# EAGLE board working (EAGLE 9.6.2), part 24 of 28 (continued)
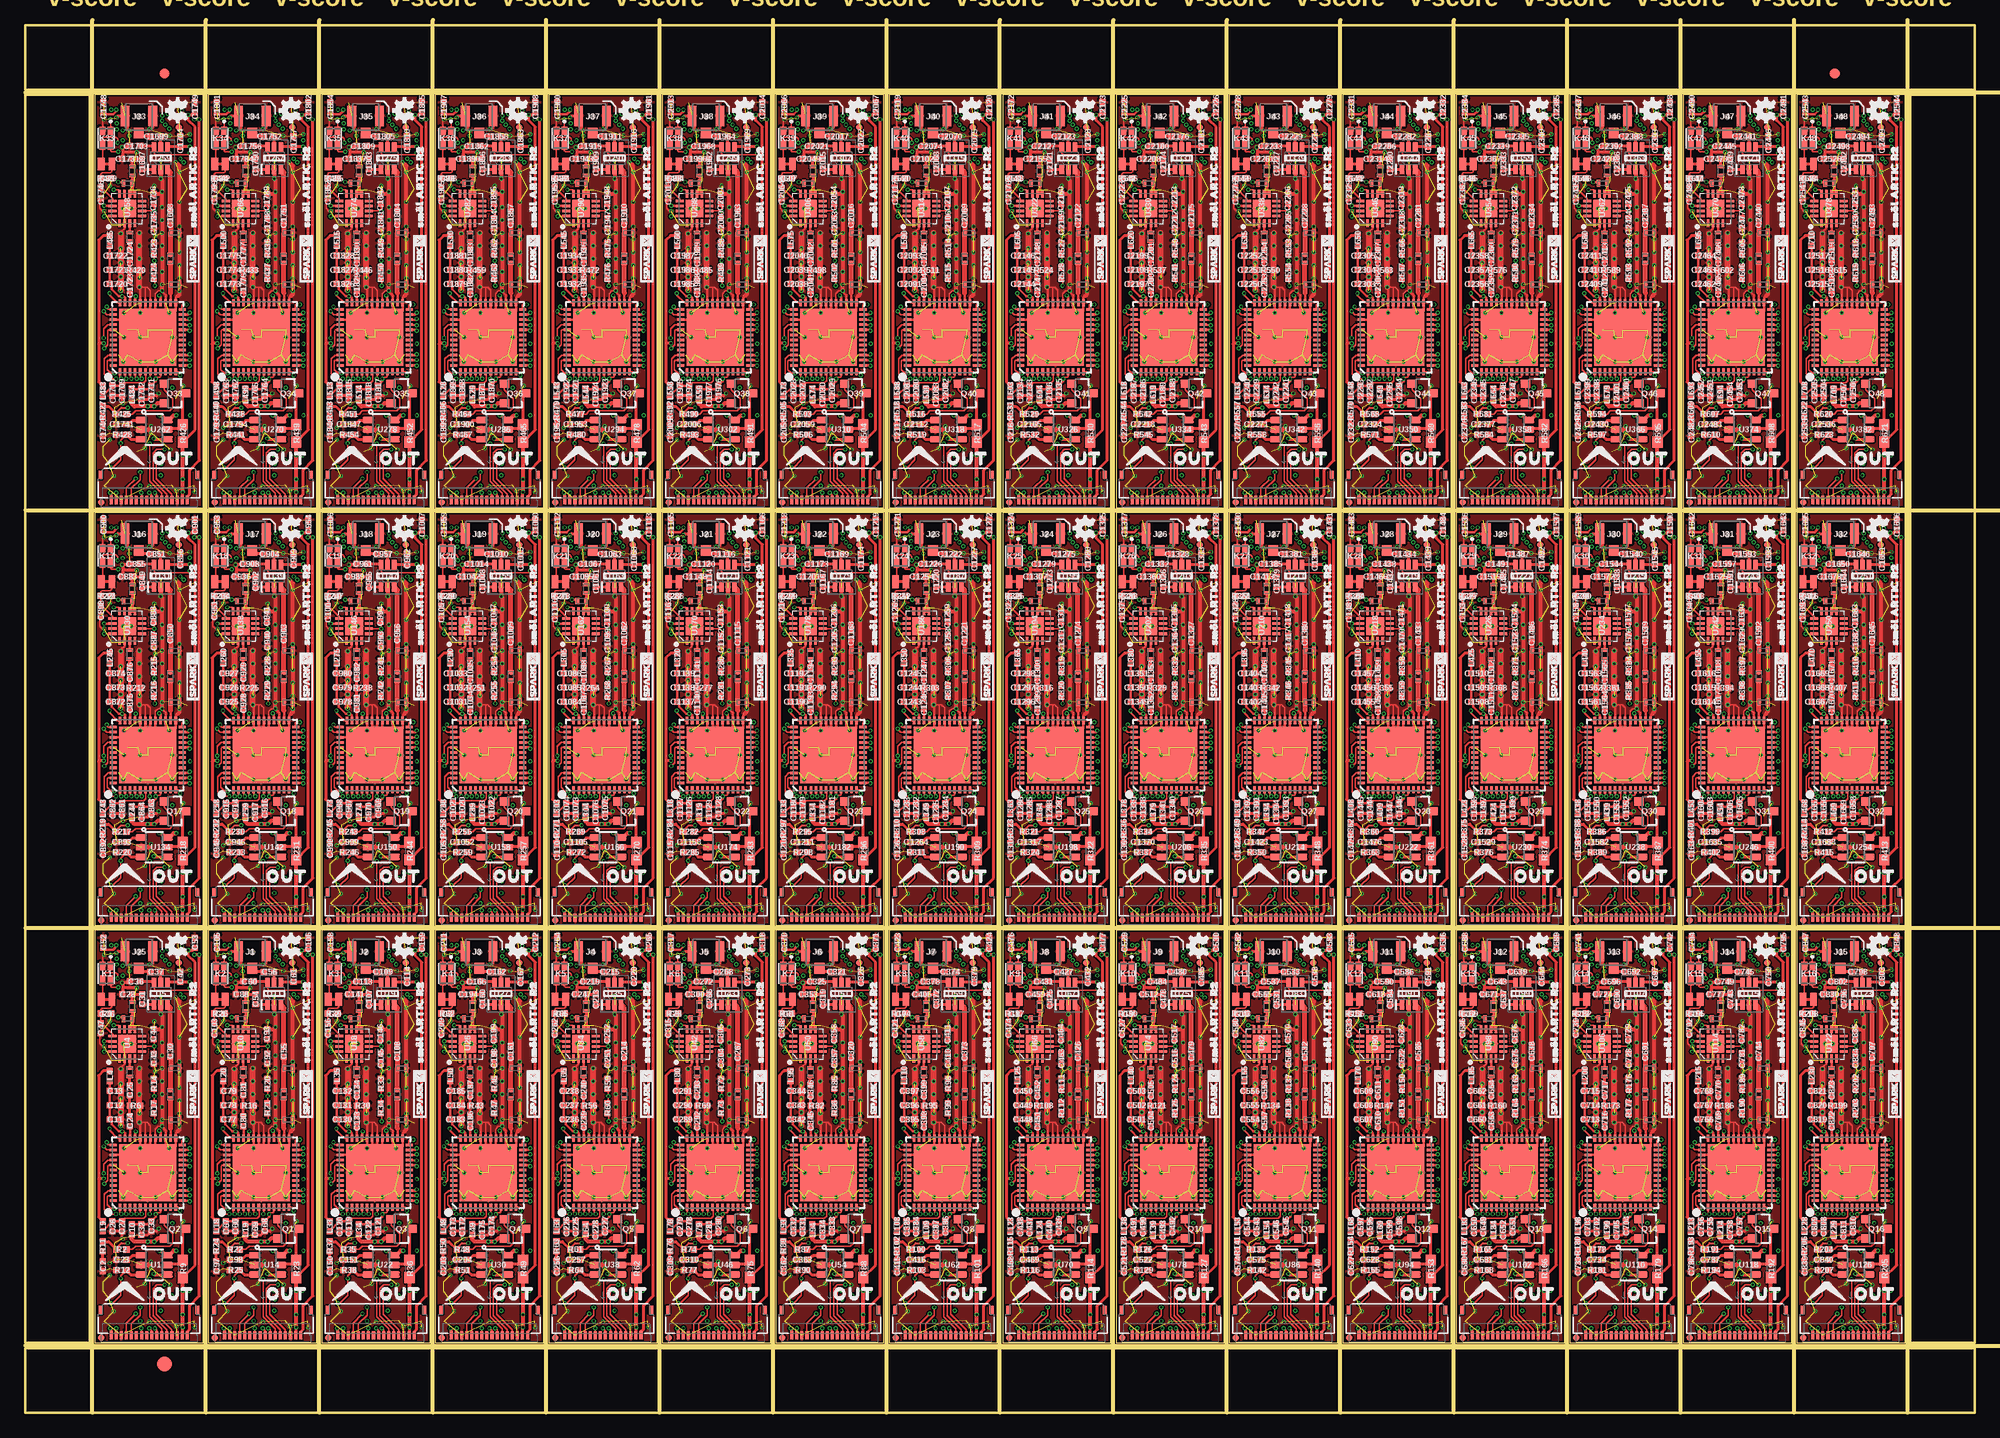
[diagram p0: board, top side]
## Tracks (layer width: path | path; a pad name or v marks a point on that pad's centre or on a via) (continued)
RESETB17  (via drill 0.2)
  Top 0.152: U137.1 20.49,60.83 v20.61,60.71
  Route15 0.127: v20.61,60.71 20.61,60.41 21.78,59.25 21.78,53.42 22.42,52.78 25.07,52.78 25.21,52.64 v25.59,52.64
  Bottom 0.152: U144.1 25.62,52.61 v25.59,52.64 | v20.61,60.71 20.61,59.98 R222.2
RESETB18  (via drill 0.2)
  Top 0.152: U145.1 31.67,60.83 v31.79,60.71
  Route15 0.127: v31.79,60.71 31.79,60.41 32.96,59.25 32.96,53.42 33.59,52.78 36.25,52.78 36.38,52.64 v36.77,52.64
  Bottom 0.152: U152.1 36.79,52.61 v36.77,52.64 | v31.79,60.71 31.79,59.98 R235.2
RESETB19  (via drill 0.2)
  Top 0.152: U153.1 42.84,60.83 v42.96,60.71
  Route15 0.127: v42.96,60.71 42.96,60.41 44.13,59.25 44.13,53.42 44.77,52.78 47.42,52.78 47.56,52.64 v47.94,52.64
  Bottom 0.152: U160.1 47.97,52.61 v47.94,52.64 | v42.96,60.71 42.96,59.98 R248.2
RESETB20  (via drill 0.2)
  Top 0.152: U161.1 54.02,60.83 v54.14,60.71
  Route15 0.127: v54.14,60.71 54.14,60.41 55.31,59.25 55.31,53.42 55.95,52.78 58.6,52.78 58.74,52.64 v59.12,52.64
  Bottom 0.152: U168.1 59.15,52.61 v59.12,52.64 | v54.14,60.71 54.14,59.98 R261.2
RESETB21  (via drill 0.2)
  Top 0.152: U169.1 65.2,60.83 v65.32,60.71
  Route15 0.127: v65.32,60.71 65.32,60.41 66.48,59.25 66.48,53.42 67.12,52.78 69.78,52.78 69.91,52.64 v70.3,52.64
  Bottom 0.152: U176.1 70.32,52.61 v70.3,52.64 | v65.32,60.71 65.32,59.98 R274.2
RESETB22  (via drill 0.2)
  Top 0.152: U177.1 76.37,60.83 v76.49,60.71
  Route15 0.127: v76.49,60.71 76.49,60.41 77.66,59.25 77.66,53.42 78.3,52.78 80.95,52.78 81.09,52.64 v81.47,52.64
  Bottom 0.152: U184.1 81.5,52.61 v81.47,52.64 | v76.49,60.71 76.49,59.98 R287.2
RESETB23  (via drill 0.2)
  Top 0.152: U185.1 87.55,60.83 v87.67,60.71
  Route15 0.127: v87.67,60.71 87.67,60.41 88.84,59.25 88.84,53.42 89.48,52.78 92.13,52.78 92.27,52.64 v92.65,52.64
  Bottom 0.152: U192.1 92.67,52.61 v92.65,52.64 | v87.67,60.71 87.67,59.98 R300.2
RESETB24  (via drill 0.2)
  Top 0.152: U193.1 98.72,60.83 v98.84,60.71
  Route15 0.127: v98.84,60.71 98.84,60.41 100.01,59.25 100.01,53.42 100.65,52.78 103.3,52.78 103.44,52.64 v103.82,52.64
  Bottom 0.152: U200.1 103.85,52.61 v103.82,52.64 | v98.84,60.71 98.84,59.98 R313.2
RESETB25  (via drill 0.2)
  Top 0.152: U201.1 109.9,60.83 v110.02,60.71
  Route15 0.127: v110.02,60.71 110.02,60.41 111.19,59.25 111.19,53.42 111.83,52.78 114.48,52.78 114.62,52.64 v115,52.64
  Bottom 0.152: U208.1 115.03,52.61 v115,52.64 | v110.02,60.71 110.02,59.98 R326.2
RESETB26  (via drill 0.2)
  Top 0.152: U209.1 121.08,60.83 v121.2,60.71
  Route15 0.127: v121.2,60.71 121.2,60.41 122.37,59.25 122.37,53.42 123,52.78 125.66,52.78 125.79,52.64 v126.17,52.64
  Bottom 0.152: U216.1 126.2,52.61 v126.17,52.64 | v121.2,60.71 121.2,59.98 R339.2
RESETB27  (via drill 0.2)
  Top 0.152: U217.1 132.25,60.83 v132.37,60.71
  Route15 0.127: v132.37,60.71 132.37,60.41 133.54,59.25 133.54,53.42 134.18,52.78 136.83,52.78 136.97,52.64 v137.35,52.64
  Bottom 0.152: U224.1 137.38,52.61 v137.35,52.64 | v132.37,60.71 132.37,59.98 R352.2
RESETB28  (via drill 0.2)
  Top 0.152: U225.1 143.43,60.83 v143.55,60.71
  Route15 0.127: v143.55,60.71 143.55,60.41 144.72,59.25 144.72,53.42 145.36,52.78 148.01,52.78 148.15,52.64 v148.53,52.64
  Bottom 0.152: U232.1 148.55,52.61 v148.53,52.64 | v143.55,60.71 143.55,59.98 R365.2
RESETB29  (via drill 0.2)
  Top 0.152: U233.1 154.6,60.83 v154.72,60.71
  Route15 0.127: v154.72,60.71 154.72,60.41 155.89,59.25 155.89,53.42 156.53,52.78 159.18,52.78 159.32,52.64 v159.7,52.64
  Bottom 0.152: U240.1 159.73,52.61 v159.7,52.64 | v154.72,60.71 154.72,59.98 R378.2
RESETB30  (via drill 0.2)
  Top 0.152: U241.1 165.78,60.83 v165.9,60.71
  Route15 0.127: v165.9,60.71 165.9,60.41 167.07,59.25 167.07,53.42 167.71,52.78 170.36,52.78 170.5,52.64 v170.88,52.64
  Bottom 0.152: U248.1 170.91,52.61 v170.88,52.64 | v165.9,60.71 165.9,59.98 R391.2
RESETB31  (via drill 0.2)
  Top 0.152: U249.1 176.96,60.83 v177.08,60.71
  Route15 0.127: v177.08,60.71 177.08,60.41 178.25,59.25 178.25,53.42 178.88,52.78 181.53,52.78 181.67,52.64 v182.05,52.64
  Bottom 0.152: U256.1 182.08,52.61 v182.05,52.64 | v177.08,60.71 177.08,59.98 R404.2
RESETB32  (via drill 0.2)
  Top 0.152: U257.1 9.31,101.98 v9.44,101.85
  Route15 0.127: v9.44,101.85 9.44,101.56 10.61,100.39 10.61,94.57 11.24,93.93 13.89,93.93 14.03,93.79 v14.41,93.79
  Bottom 0.152: U264.1 14.44,93.76 v14.41,93.79 | v9.44,101.85 9.44,101.12 R417.2
RESETB33  (via drill 0.2)
  Top 0.152: U265.1 20.49,101.98 v20.61,101.85
  Route15 0.127: v20.61,101.85 20.61,101.56 21.78,100.39 21.78,94.57 22.42,93.93 25.07,93.93 25.21,93.79 v25.59,93.79
  Bottom 0.152: U272.1 25.62,93.76 v25.59,93.79 | v20.61,101.85 20.61,101.12 R430.2
RESETB34  (via drill 0.2)
  Top 0.152: U273.1 31.67,101.98 v31.79,101.85
  Route15 0.127: v31.79,101.85 31.79,101.56 32.96,100.39 32.96,94.57 33.59,93.93 36.25,93.93 36.38,93.79 v36.77,93.79
  Bottom 0.152: U280.1 36.79,93.76 v36.77,93.79 | v31.79,101.85 31.79,101.12 R443.2
RESETB35  (via drill 0.2)
  Top 0.152: U281.1 42.84,101.98 v42.96,101.85
  Route15 0.127: v42.96,101.85 42.96,101.56 44.13,100.39 44.13,94.57 44.77,93.93 47.42,93.93 47.56,93.79 v47.94,93.79
  Bottom 0.152: U288.1 47.97,93.76 v47.94,93.79 | v42.96,101.85 42.96,101.12 R456.2
RESETB36  (via drill 0.2)
  Top 0.152: U289.1 54.02,101.98 v54.14,101.85
  Route15 0.127: v54.14,101.85 54.14,101.56 55.31,100.39 55.31,94.57 55.95,93.93 58.6,93.93 58.74,93.79 v59.12,93.79
  Bottom 0.152: U296.1 59.15,93.76 v59.12,93.79 | v54.14,101.85 54.14,101.12 R469.2
RESETB37  (via drill 0.2)
  Top 0.152: U297.1 65.2,101.98 v65.32,101.85
  Route15 0.127: v65.32,101.85 65.32,101.56 66.48,100.39 66.48,94.57 67.12,93.93 69.78,93.93 69.91,93.79 v70.3,93.79
  Bottom 0.152: U304.1 70.32,93.76 v70.3,93.79 | v65.32,101.85 65.32,101.12 R482.2
RESETB38  (via drill 0.2)
  Top 0.152: U305.1 76.37,101.98 v76.49,101.85
  Route15 0.127: v76.49,101.85 76.49,101.56 77.66,100.39 77.66,94.57 78.3,93.93 80.95,93.93 81.09,93.79 v81.47,93.79
  Bottom 0.152: U312.1 81.5,93.76 v81.47,93.79 | v76.49,101.85 76.49,101.12 R495.2
RESETB39  (via drill 0.2)
  Top 0.152: U313.1 87.55,101.98 v87.67,101.85
  Route15 0.127: v87.67,101.85 87.67,101.56 88.84,100.39 88.84,94.57 89.48,93.93 92.13,93.93 92.27,93.79 v92.65,93.79
  Bottom 0.152: U320.1 92.67,93.76 v92.65,93.79 | v87.67,101.85 87.67,101.12 R508.2
RESETB40  (via drill 0.2)
  Top 0.152: U321.1 98.72,101.98 v98.84,101.85
  Route15 0.127: v98.84,101.85 98.84,101.56 100.01,100.39 100.01,94.57 100.65,93.93 103.3,93.93 103.44,93.79 v103.82,93.79
  Bottom 0.152: U328.1 103.85,93.76 v103.82,93.79 | v98.84,101.85 98.84,101.12 R521.2
RESETB41  (via drill 0.2)
  Top 0.152: U329.1 109.9,101.98 v110.02,101.85
  Route15 0.127: v110.02,101.85 110.02,101.56 111.19,100.39 111.19,94.57 111.83,93.93 114.48,93.93 114.62,93.79 v115,93.79
  Bottom 0.152: U336.1 115.03,93.76 v115,93.79 | v110.02,101.85 110.02,101.12 R534.2
RESETB42  (via drill 0.2)
  Top 0.152: U337.1 121.08,101.98 v121.2,101.85
  Route15 0.127: v121.2,101.85 121.2,101.56 122.37,100.39 122.37,94.57 123,93.93 125.66,93.93 125.79,93.79 v126.17,93.79
  Bottom 0.152: U344.1 126.2,93.76 v126.17,93.79 | v121.2,101.85 121.2,101.12 R547.2
RESETB43  (via drill 0.2)
  Top 0.152: U345.1 132.25,101.98 v132.37,101.85
  Route15 0.127: v132.37,101.85 132.37,101.56 133.54,100.39 133.54,94.57 134.18,93.93 136.83,93.93 136.97,93.79 v137.35,93.79
  Bottom 0.152: U352.1 137.38,93.76 v137.35,93.79 | v132.37,101.85 132.37,101.12 R560.2
RESETB44  (via drill 0.2)
  Top 0.152: U353.1 143.43,101.98 v143.55,101.85
  Route15 0.127: v143.55,101.85 143.55,101.56 144.72,100.39 144.72,94.57 145.36,93.93 148.01,93.93 148.15,93.79 v148.53,93.79
  Bottom 0.152: U360.1 148.55,93.76 v148.53,93.79 | v143.55,101.85 143.55,101.12 R573.2
RESETB45  (via drill 0.2)
  Top 0.152: U361.1 154.6,101.98 v154.72,101.85
  Route15 0.127: v154.72,101.85 154.72,101.56 155.89,100.39 155.89,94.57 156.53,93.93 159.18,93.93 159.32,93.79 v159.7,93.79
  Bottom 0.152: U368.1 159.73,93.76 v159.7,93.79 | v154.72,101.85 154.72,101.12 R586.2
RESETB46  (via drill 0.2)
  Top 0.152: U369.1 165.78,101.98 v165.9,101.85
  Route15 0.127: v165.9,101.85 165.9,101.56 167.07,100.39 167.07,94.57 167.71,93.93 170.36,93.93 170.5,93.79 v170.88,93.79
  Bottom 0.152: U376.1 170.91,93.76 v170.88,93.79 | v165.9,101.85 165.9,101.12 R599.2
RESETB47  (via drill 0.2)
  Top 0.152: U377.1 176.96,101.98 v177.08,101.85
  Route15 0.127: v177.08,101.85 177.08,101.56 178.25,100.39 178.25,94.57 178.88,93.93 181.53,93.93 181.67,93.79 v182.05,93.79
  Bottom 0.152: U384.1 182.08,93.76 v182.05,93.79 | v177.08,101.85 177.08,101.12 R612.2
RF_RX
  Top 0.508: C29.P$2 14.3,31.78 L12.P$2 14.3,35.05 C30.2
RF_RX1
  Top 0.508: C87.P$2 25.48,31.78 L28.P$2 C55.2
RF_RX2
  Top 0.508: C140.P$2 36.65,31.78 L43.P$2 36.65,35.05 C108.2
RF_RX3
  Top 0.508: C193.P$2 47.83,31.78 L58.P$2 C161.2
RF_RX4
  Top 0.508: C246.P$2 59,31.78 L73.P$2 59,35.05 C214.2
RF_RX5
  Top 0.508: C299.P$2 70.18,31.78 L88.P$2 70.18,35.05 C267.2
RF_RX6
  Top 0.508: C352.P$2 81.36,31.78 L103.P$2 C320.2
RF_RX7
  Top 0.508: C405.P$2 92.53,31.78 L118.P$2 92.53,35.05 C373.2
RF_RX8
  Top 0.508: C458.P$2 103.71,31.78 L133.P$2 C426.2
RF_RX9
  Top 0.508: C511.P$2 114.88,31.78 L148.P$2 114.88,35.05 C479.2
RF_RX10
  Top 0.508: C564.P$2 126.06,31.78 L163.P$2 126.06,35.05 C532.2
RF_RX11
  Top 0.508: C617.P$2 137.24,31.78 L178.P$2 C585.2
RF_RX12
  Top 0.508: C670.P$2 148.41,31.78 L193.P$2 148.41,35.05 C638.2
RF_RX13
  Top 0.508: C723.P$2 159.59,31.78 L208.P$2 C691.2
RF_RX14
  Top 0.508: C776.P$2 170.76,31.78 L223.P$2 170.76,35.05 C744.2
RF_RX15
  Top 0.508: C829.P$2 181.94,31.78 L238.P$2 181.94,35.05 C797.2
RF_RX16
  Top 0.508: C882.P$2 14.3,72.93 L253.P$2 14.3,76.2 C850.2
RF_RX17
  Top 0.508: C935.P$2 25.48,72.93 L268.P$2 25.48,76.2 C903.2
RF_RX18
  Top 0.508: C988.P$2 36.65,72.93 L283.P$2 36.65,76.2 C956.2
RF_RX19
  Top 0.508: C1041.P$2 47.83,72.93 L298.P$2 47.83,76.2 C1009.2
RF_RX20
  Top 0.508: C1094.P$2 59,72.93 L313.P$2 59,76.2 C1062.2
RF_RX21
  Top 0.508: C1147.P$2 70.18,72.93 L328.P$2 70.18,76.2 C1115.2
RF_RX22
  Top 0.508: C1200.P$2 81.36,72.93 L343.P$2 81.36,76.2 C1168.2
RF_RX23
  Top 0.508: C1253.P$2 92.53,72.93 L358.P$2 92.53,76.2 C1221.2
RF_RX24
  Top 0.508: C1306.P$2 103.71,72.93 L373.P$2 103.71,76.2 C1274.2
RF_RX25
  Top 0.508: C1359.P$2 114.88,72.93 L388.P$2 114.88,76.2 C1327.2
RF_RX26
  Top 0.508: C1412.P$2 126.06,72.93 L403.P$2 126.06,76.2 C1380.2
RF_RX27
  Top 0.508: C1465.P$2 137.24,72.93 L418.P$2 137.24,76.2 C1433.2
RF_RX28
  Top 0.508: C1518.P$2 148.41,72.93 L433.P$2 148.41,76.2 C1486.2
RF_RX29
  Top 0.508: C1571.P$2 159.59,72.93 L448.P$2 159.59,76.2 C1539.2
RF_RX30
  Top 0.508: C1624.P$2 170.76,72.93 L463.P$2 170.76,76.2 C1592.2
RF_RX31
  Top 0.508: C1677.P$2 181.94,72.93 L478.P$2 181.94,76.2 C1645.2
RF_RX32
  Top 0.508: C1730.P$2 14.3,114.08 L493.P$2 14.3,117.34 C1698.2
RF_RX33
  Top 0.508: C1783.P$2 L508.P$2 25.48,117.34 C1751.2
RF_RX34
  Top 0.508: C1836.P$2 36.65,114.08 L523.P$2 36.65,117.34 C1804.2
RF_RX35
  Top 0.508: C1889.P$2 L538.P$2 47.83,117.34 C1857.2
RF_RX36
  Top 0.508: C1942.P$2 59,114.08 L553.P$2 59,117.34 C1910.2
RF_RX37
  Top 0.508: C1995.P$2 70.18,114.08 L568.P$2 70.18,117.34 C1963.2
RF_RX38
  Top 0.508: C2048.P$2 L583.P$2 81.36,117.34 C2016.2
RF_RX39
  Top 0.508: C2101.P$2 92.53,114.08 L598.P$2 92.53,117.34 C2069.2
RF_RX40
  Top 0.508: C2154.P$2 L613.P$2 103.71,117.34 C2122.2
RF_RX41
  Top 0.508: C2207.P$2 114.88,114.08 L628.P$2 114.88,117.34 C2175.2
RF_RX42
  Top 0.508: C2260.P$2 126.06,114.08 L643.P$2 126.06,117.34 C2228.2
RF_RX43
  Top 0.508: C2313.P$2 L658.P$2 137.24,117.34 C2281.2
RF_RX44
  Top 0.508: C2366.P$2 148.41,114.08 L673.P$2 148.41,117.34 C2334.2
RF_RX45
  Top 0.508: C2419.P$2 L688.P$2 159.59,117.34 C2387.2
RF_RX46
  Top 0.508: C2472.P$2 170.76,114.08 L703.P$2 170.76,117.34 C2440.2
RF_RX47
  Top 0.508: C2525.P$2 181.94,114.08 L718.P$2 181.94,117.34 C2493.2
RF_TX
  Top 0.305: L8.P$2 C28.2 10.54,41.2 C31.2
RF_TX1
  Top 0.305: L26.P$2 C88.2 C54.2
RF_TX2
  Top 0.305: L41.P$2 32.88,40.45 C141.2 C107.2
RF_TX3
  Top 0.305: L56.P$2 C194.2 C160.2
RF_TX4
  Top 0.305: L71.P$2 55.24,40.45 C247.2 C213.2
RF_TX5
  Top 0.305: L86.P$2 C300.2 66.42,41.2 C266.2
RF_TX6
  Top 0.305: L101.P$2 C353.2 C319.2
RF_TX7
  Top 0.305: L116.P$2 88.77,40.45 C406.2 C372.2
RF_TX8
  Top 0.305: L131.P$2 C459.2 C425.2
RF_TX9
  Top 0.305: L146.P$2 C512.2 C478.2
RF_TX10
  Top 0.305: L161.P$2 C565.2 C531.2
RF_TX11
  Top 0.305: L176.P$2 C618.2 C584.2
RF_TX12
  Top 0.305: L191.P$2 C671.2 C637.2
RF_TX13
  Top 0.305: L206.P$2 C724.2 155.83,41.2 C690.2
RF_TX14
  Top 0.305: L221.P$2 C777.2 C743.2
RF_TX15
  Top 0.305: L236.P$2 C830.2 178.18,41.2 C796.2
RF_TX16
  Top 0.305: L251.P$2 C883.2 10.54,82.35 C849.2
RF_TX17
  Top 0.305: L266.P$2 C936.2 C902.2
RF_TX18
  Top 0.305: L281.P$2 32.88,81.59 C989.2 C955.2
RF_TX19
  Top 0.305: L296.P$2 C1042.2 C1008.2
RF_TX20
  Top 0.305: L311.P$2 55.24,81.59 C1095.2 C1061.2
RF_TX21
  Top 0.305: L326.P$2 C1148.2 66.42,82.35 C1114.2
RF_TX22
  Top 0.305: L341.P$2 C1201.2 C1167.2
RF_TX23
  Top 0.305: L356.P$2 88.77,81.59 C1254.2 C1220.2
RF_TX24
  Top 0.305: L371.P$2 C1307.2 C1273.2
RF_TX25
  Top 0.305: L386.P$2 C1360.2 C1326.2
RF_TX26
  Top 0.305: L401.P$2 C1413.2 C1379.2
RF_TX27
  Top 0.305: L416.P$2 C1466.2 C1432.2
RF_TX28
  Top 0.305: L431.P$2 C1519.2 C1485.2
RF_TX29
  Top 0.305: L446.P$2 C1572.2 155.83,82.35 C1538.2
RF_TX30
  Top 0.305: L461.P$2 C1625.2 C1591.2
RF_TX31
  Top 0.305: L476.P$2 C1678.2 178.18,82.35 C1644.2
RF_TX32
  Top 0.305: L491.P$2 10.53,122.74 C1731.2 10.54,123.5 C1697.2
RF_TX33
  Top 0.305: L506.P$2 21.71,122.74 C1784.2 C1750.2
RF_TX34
  Top 0.305: L521.P$2 32.88,122.74 C1837.2 C1803.2
RF_TX35
  Top 0.305: L536.P$2 44.06,122.74 C1890.2 C1856.2
RF_TX36
  Top 0.305: L551.P$2 55.24,122.74 C1943.2 C1909.2
RF_TX37
  Top 0.305: L566.P$2 66.41,122.74 C1996.2 66.42,123.5 C1962.2
RF_TX38
  Top 0.305: L581.P$2 77.59,122.74 C2049.2 C2015.2
RF_TX39
  Top 0.305: L596.P$2 88.77,122.74 C2102.2 C2068.2
RF_TX40
  Top 0.305: L611.P$2 99.94,122.74 C2155.2 C2121.2
RF_TX41
  Top 0.305: L626.P$2 111.12,122.74 C2208.2 C2174.2
RF_TX42
  Top 0.305: L641.P$2 122.29,122.74 C2261.2 C2227.2
RF_TX43
  Top 0.305: L656.P$2 133.47,122.74 C2314.2 C2280.2
RF_TX44
  Top 0.305: L671.P$2 144.65,122.74 C2367.2 C2333.2
RF_TX45
  Top 0.305: L686.P$2 155.82,122.74 C2420.2 155.83,123.5 C2386.2
RF_TX46
  Top 0.305: L701.P$2 167,122.74 C2473.2 C2439.2
RF_TX47
  Top 0.305: L716.P$2 178.17,122.74 C2526.2 178.18,123.5 C2492.2
RFG1  (via drill 0.2)
  Top 0.152: U10.12 20.46,38.03 20.32,38.16 v19.88,38.16 | K2.4 19.58,42.02 19.68,41.91 v20.32,41.91
  Bottom 0.152: v20.32,41.91 20.18,41.91 19.93,41.66 R18.1 C82.2 19.93,38.22 v19.88,38.16
RFG2
  Top 0.152: U10.13 19.76,37.26 18.68,38.35 C103.2 18.61,39.3 R26.1 18.61,39.7 18.73,39.81 19.56,39.81 19.7,39.95 G1.1
RFG3  (via drill 0.2)
  Top 0.152: U18.12 31.64,38.03 31.5,38.16 v31.05,38.16 | K3.4 30.75,42.02 30.86,41.91 v31.5,41.91
  Bottom 0.152: v31.5,41.91 31.36,41.91 31.11,41.66 R31.1 C135.2 31.1,38.22 v31.05,38.16
RFG4
  Top 0.152: U18.13 30.94,37.26 29.85,38.35 C156.2 R39.1 29.79,39.7 29.91,39.81 30.73,39.81 30.87,39.95 G2.1
RFG5  (via drill 0.2)
  Top 0.152: U26.12 42.81,38.03 42.67,38.16 v42.23,38.16 | K4.4 41.93,42.02 42.04,41.91 v42.67,41.91
  Bottom 0.152: v42.67,41.91 42.54,41.91 42.28,41.66 R44.1 C188.2 42.28,38.22 v42.23,38.16
RFG6
  Top 0.152: U26.13 42.11,37.26 41.03,38.35 C209.2 40.96,39.3 R52.1 40.97,39.7 41.08,39.81 41.91,39.81 42.05,39.95 G3.1
RFG7  (via drill 0.2)
  Top 0.152: U34.12 53.99,38.03 53.85,38.16 v53.4,38.16 | K5.4 53.1,42.02 53.21,41.91 v53.85,41.91
  Bottom 0.152: v53.85,41.91 53.71,41.91 53.46,41.66 R57.1 C241.2 53.46,38.22 v53.4,38.16
RFG8  (via drill 0.2)
  Top 0.152: U4.12 9.28,38.03 9.15,38.16 v8.7,38.16 | K1.4 8.4,42.02 8.51,41.91 v9.14,41.91
  Bottom 0.152: v9.14,41.91 9.01,41.91 8.75,41.66 R7.1 C22.2 8.75,38.22 v8.7,38.16
RFG9
  Top 0.152: U34.13 53.29,37.26 52.2,38.35 C262.2 R65.1 52.14,39.7 52.26,39.81 53.09,39.81 53.23,39.95 G4.1
RFG10  (via drill 0.2)
  Top 0.152: U42.12 65.16,38.03 65.03,38.16 v64.58,38.16 | K6.4 64.28,42.02 64.39,41.91 v65.02,41.91
  Bottom 0.152: v65.02,41.91 64.89,41.91 64.64,41.66 R70.1 C294.2 64.63,38.22 v64.58,38.16
RFG11
  Top 0.152: U42.13 64.46,37.26 63.38,38.35 C315.2 R78.1 63.32,39.7 63.44,39.81 64.26,39.81 64.4,39.95 G5.1
RFG12  (via drill 0.2)
  Top 0.152: U50.12 76.34,38.03 76.2,38.16 v75.76,38.16 | K7.4 75.46,42.02 75.56,41.91 v76.2,41.91
  Bottom 0.152: v76.2,41.91 76.06,41.91 75.81,41.66 R83.1 C347.2 75.81,38.22 v75.76,38.16
RFG13
  Top 0.152: U50.13 75.64,37.26 74.56,38.35 C368.2 74.48,39.3 R91.1 74.49,39.7 74.61,39.81 75.44,39.81 75.58,39.95 G6.1
RFG14  (via drill 0.2)
  Top 0.152: U58.12 87.52,38.03 87.38,38.16 v86.93,38.16 | K8.4 86.63,42.02 86.74,41.91 v87.38,41.91
  Bottom 0.152: v87.38,41.91 87.24,41.91 86.99,41.66 R96.1 C400.2 86.98,38.22 v86.93,38.16
RFG15
  Top 0.152: U58.13 86.81,37.26 85.73,38.35 C421.2 R104.1 85.67,39.7 85.79,39.81 86.61,39.81 86.75,39.95 G7.1
RFG16
  Top 0.152: U4.13 8.58,37.26 7.5,38.35 C47.2 R1.1 7.44,39.7 7.56,39.81 8.38,39.81 8.52,39.95 G16.1
RFG17  (via drill 0.2)
  Top 0.152: U66.12 98.69,38.03 98.55,38.16 v98.11,38.16 | K9.4 97.81,42.02 97.92,41.91 v98.55,41.91
  Bottom 0.152: v98.55,41.91 98.42,41.91 98.16,41.66 R109.1 C453.2 98.16,38.22 v98.11,38.16
RFG18
  Top 0.152: U66.13 97.99,37.26 96.91,38.35 C474.2 R117.1 96.84,39.7 96.96,39.81 97.79,39.81 97.93,39.95 G8.1
RFG19  (via drill 0.2)
  Top 0.152: U74.12 109.87,38.03 109.73,38.16 v109.28,38.16 | K10.4 108.98,42.02 109.09,41.91 v109.73,41.91
  Bottom 0.152: v109.73,41.91 109.59,41.91 109.34,41.66 R122.1 C506.2 109.34,38.22 v109.28,38.16
RFG20
  Top 0.152: U74.13 109.17,37.26 108.09,38.35 C527.2 R130.1 108.02,39.7 108.14,39.81 108.97,39.81 109.11,39.95 G9.1
RFG21  (via drill 0.2)
  Top 0.152: U82.12 121.04,38.03 120.91,38.16 v120.46,38.16 | K11.4 120.16,42.02 120.27,41.91 v120.9,41.91
  Bottom 0.152: v120.9,41.91 120.77,41.91 120.52,41.66 R135.1 C559.2 120.51,38.22 v120.46,38.16
RFG22
  Top 0.152: U82.13 120.34,37.26 119.26,38.35 C580.2 R143.1 119.2,39.7 119.32,39.81 120.14,39.81 120.28,39.95 G10.1
RFG23  (via drill 0.2)
  Top 0.152: U90.12 132.22,38.03 132.08,38.16 v131.64,38.16 | K12.4 131.34,42.02 131.44,41.91 v132.08,41.91
  Bottom 0.152: v132.08,41.91 131.94,41.91 131.69,41.66 R148.1 C612.2 131.69,38.22 v131.64,38.16
RFG24
  Top 0.152: U90.13 131.52,37.26 130.44,38.35 C633.2 130.37,39.3 R156.1 130.37,39.7 130.49,39.81 131.32,39.81 131.46,39.95 G11.1
RFG25  (via drill 0.2)
  Top 0.152: U98.12 143.4,38.03 143.26,38.16 v142.81,38.16 | K13.4 142.51,42.02 142.62,41.91 v143.26,41.91
  Bottom 0.152: v143.26,41.91 143.12,41.91 142.87,41.66 R161.1 C665.2 142.86,38.22 v142.81,38.16
RFG26
  Top 0.152: U98.13 142.69,37.26 141.61,38.35 C686.2 R169.1 141.55,39.7 141.67,39.81 142.49,39.81 142.63,39.95 G12.1
RFG27  (via drill 0.2)
  Top 0.152: U106.12 154.57,38.03 154.43,38.16 v153.99,38.16 | K14.4 153.69,42.02 153.8,41.91 v154.43,41.91
  Bottom 0.152: v154.43,41.91 154.3,41.91 154.04,41.66 R174.1 C718.2 154.04,38.22 v153.99,38.16
RFG28
  Top 0.152: U106.13 153.87,37.26 152.79,38.35 C739.2 R182.1 152.73,39.7 152.84,39.81 153.67,39.81 153.81,39.95 G13.1
RFG29  (via drill 0.2)
  Top 0.152: U114.12 165.75,38.03 165.61,38.16 v165.16,38.16 | K15.4 164.87,42.02 164.97,41.91 v165.61,41.91
  Bottom 0.152: v165.61,41.91 165.47,41.91 165.22,41.66 R187.1 C771.2 165.22,38.22 v165.16,38.16
RFG30
  Top 0.152: U114.13 165.05,37.26 163.97,38.35 C792.2 R195.1 163.9,39.7 164.02,39.81 164.85,39.81 164.99,39.95 G14.1
RFG31  (via drill 0.2)
  Top 0.152: U122.12 176.92,38.03 176.79,38.16 v176.34,38.16 | K16.4 176.04,42.02 176.15,41.91 v176.78,41.91
  Bottom 0.152: v176.78,41.91 176.65,41.91 176.4,41.66 R200.1 C824.2 176.39,38.22 v176.34,38.16
RFG32
  Top 0.152: U122.13 176.22,37.26 175.14,38.35 C845.2 R208.1 175.08,39.7 175.2,39.81 176.02,39.81 176.16,39.95 G15.1
RFG33  (via drill 0.2)
  Top 0.152: U130.12 9.28,79.17 9.15,79.31 v8.7,79.31 | K17.4 8.4,83.17 8.51,83.06 v9.14,83.06
  Bottom 0.152: v9.14,83.06 9.01,83.06 8.75,82.8 R213.1 C877.2 8.75,79.36 v8.7,79.31
RFG34
  Top 0.152: U130.13 8.58,78.41 7.5,79.49 C898.2 7.43,80.45 R221.1 7.44,80.84 7.56,80.96 8.38,80.96 8.52,81.1 G17.1
RFG35  (via drill 0.2)
  Top 0.152: U138.12 20.46,79.17 20.32,79.31 v19.88,79.31 | K18.4 19.58,83.17 19.68,83.06 v20.32,83.06
  Bottom 0.152: v20.32,83.06 20.18,83.06 19.93,82.8 R226.1 C930.2 19.93,79.36 v19.88,79.31
RFG36
  Top 0.152: U138.13 19.76,78.41 18.68,79.49 C951.2 18.61,80.45 R234.1 18.61,80.84 18.73,80.96 19.56,80.96 19.7,81.1 G18.1
RFG37  (via drill 0.2)
  Top 0.152: U146.12 31.64,79.17 31.5,79.31 v31.05,79.31 | K19.4 30.75,83.17 30.86,83.06 v31.5,83.06
  Bottom 0.152: v31.5,83.06 31.36,83.06 31.11,82.8 R239.1 C983.2 31.1,79.36 v31.05,79.31
RFG38
  Top 0.152: U146.13 30.94,78.41 29.85,79.49 C1004.2 29.78,80.45 R247.1 29.79,80.84 29.91,80.96 30.73,80.96 30.87,81.1 G19.1
RFG39  (via drill 0.2)
  Top 0.152: U154.12 42.81,79.17 42.67,79.31 v42.23,79.31 | K20.4 41.93,83.17 42.04,83.06 v42.67,83.06
  Bottom 0.152: v42.67,83.06 42.54,83.06 42.28,82.8 R252.1 C1036.2 42.28,79.36 v42.23,79.31
RFG40
  Top 0.152: U154.13 42.11,78.41 41.03,79.49 C1057.2 40.96,80.45 R260.1 40.97,80.84 41.08,80.96 41.91,80.96 42.05,81.1 G20.1
RFG41  (via drill 0.2)
  Top 0.152: U162.12 53.99,79.17 53.85,79.31 v53.4,79.31 | K21.4 53.1,83.17 53.21,83.06 v53.85,83.06
  Bottom 0.152: v53.85,83.06 53.71,83.06 53.46,82.8 R265.1 C1089.2 53.46,79.36 v53.4,79.31
RFG42
  Top 0.152: U162.13 53.29,78.41 52.2,79.49 C1110.2 52.13,80.45 R273.1 52.14,80.84 52.26,80.96 53.09,80.96 53.23,81.1 G21.1
RFG43  (via drill 0.2)
  Top 0.152: U170.12 65.16,79.17 65.03,79.31 v64.58,79.31 | K22.4 64.28,83.17 64.39,83.06 v65.02,83.06
  Bottom 0.152: v65.02,83.06 64.89,83.06 64.64,82.8 R278.1 C1142.2 64.63,79.36 v64.58,79.31
RFG44
  Top 0.152: U170.13 64.46,78.41 63.38,79.49 C1163.2 63.31,80.45 R286.1 63.32,80.84 63.44,80.96 64.26,80.96 64.4,81.1 G22.1
RFG45  (via drill 0.2)
  Top 0.152: U178.12 76.34,79.17 76.2,79.31 v75.76,79.31 | K23.4 75.46,83.17 75.56,83.06 v76.2,83.06
  Bottom 0.152: v76.2,83.06 76.06,83.06 75.81,82.8 R291.1 C1195.2 75.81,79.36 v75.76,79.31
RFG46
  Top 0.152: U178.13 75.64,78.41 74.56,79.49 C1216.2 74.48,80.45 R299.1 74.49,80.84 74.61,80.96 75.44,80.96 75.58,81.1 G23.1
RFG47  (via drill 0.2)
  Top 0.152: U186.12 87.52,79.17 87.38,79.31 v86.93,79.31 | K24.4 86.63,83.17 86.74,83.06 v87.38,83.06
  Bottom 0.152: v87.38,83.06 87.24,83.06 86.99,82.8 R304.1 C1248.2 86.98,79.36 v86.93,79.31
RFG48
  Top 0.152: U186.13 86.81,78.41 85.73,79.49 C1269.2 85.66,80.45 R312.1 85.67,80.84 85.79,80.96 86.61,80.96 86.75,81.1 G24.1
RFG49  (via drill 0.2)
  Top 0.152: U194.12 98.69,79.17 98.55,79.31 v98.11,79.31 | K25.4 97.81,83.17 97.92,83.06 v98.55,83.06
  Bottom 0.152: v98.55,83.06 98.42,83.06 98.16,82.8 R317.1 C1301.2 98.16,79.36 v98.11,79.31
RFG50
  Top 0.152: U194.13 97.99,78.41 96.91,79.49 C1322.2 96.84,80.45 R325.1 96.84,80.84 96.96,80.96 97.79,80.96 97.93,81.1 G25.1
RFG51  (via drill 0.2)
  Top 0.152: U202.12 109.87,79.17 109.73,79.31 v109.28,79.31 | K26.4 108.98,83.17 109.09,83.06 v109.73,83.06
  Bottom 0.152: v109.73,83.06 109.59,83.06 109.34,82.8 R330.1 C1354.2 109.34,79.36 v109.28,79.31
RFG52
  Top 0.152: U202.13 109.17,78.41 108.09,79.49 C1375.2 108.01,80.45 R338.1 108.02,80.84 108.14,80.96 108.97,80.96 109.11,81.1 G26.1
RFG53  (via drill 0.2)
  Top 0.152: U210.12 121.04,79.17 120.91,79.31 v120.46,79.31 | K27.4 120.16,83.17 120.27,83.06 v120.9,83.06
  Bottom 0.152: v120.9,83.06 120.77,83.06 120.52,82.8 R343.1 C1407.2 120.51,79.36 v120.46,79.31
RFG54
  Top 0.152: U210.13 120.34,78.41 119.26,79.49 C1428.2 119.19,80.45 R351.1 119.2,80.84 119.32,80.96 120.14,80.96 120.28,81.1 G27.1
RFG55  (via drill 0.2)
  Top 0.152: U218.12 132.22,79.17 132.08,79.31 v131.64,79.31 | K28.4 131.34,83.17 131.44,83.06 v132.08,83.06
  Bottom 0.152: v132.08,83.06 131.94,83.06 131.69,82.8 R356.1 C1460.2 131.69,79.36 v131.64,79.31
RFG56
  Top 0.152: U218.13 131.52,78.41 130.44,79.49 C1481.2 130.37,80.45 R364.1 130.37,80.84 130.49,80.96 131.32,80.96 131.46,81.1 G28.1
RFG57  (via drill 0.2)
  Top 0.152: U226.12 143.4,79.17 143.26,79.31 v142.81,79.31 | K29.4 142.51,83.17 142.62,83.06 v143.26,83.06
  Bottom 0.152: v143.26,83.06 143.12,83.06 142.87,82.8 R369.1 C1513.2 142.86,79.36 v142.81,79.31
RFG58
  Top 0.152: U226.13 142.69,78.41 141.61,79.49 C1534.2 141.54,80.45 R377.1 141.55,80.84 141.67,80.96 142.49,80.96 142.63,81.1 G29.1
RFG59  (via drill 0.2)
  Top 0.152: U234.12 154.57,79.17 154.43,79.31 v153.99,79.31 | K30.4 153.69,83.17 153.8,83.06 v154.43,83.06
  Bottom 0.152: v154.43,83.06 154.3,83.06 154.04,82.8 R382.1 C1566.2 154.04,79.36 v153.99,79.31
RFG60
  Top 0.152: U234.13 153.87,78.41 152.79,79.49 C1587.2 152.72,80.45 R390.1 152.73,80.84 152.84,80.96 153.67,80.96 153.81,81.1 G30.1
RFG61  (via drill 0.2)
  Top 0.152: U242.12 165.75,79.17 165.61,79.31 v165.16,79.31 | K31.4 164.87,83.17 164.97,83.06 v165.61,83.06